# Allegro board fscvmotherboardv2.brd (continued)
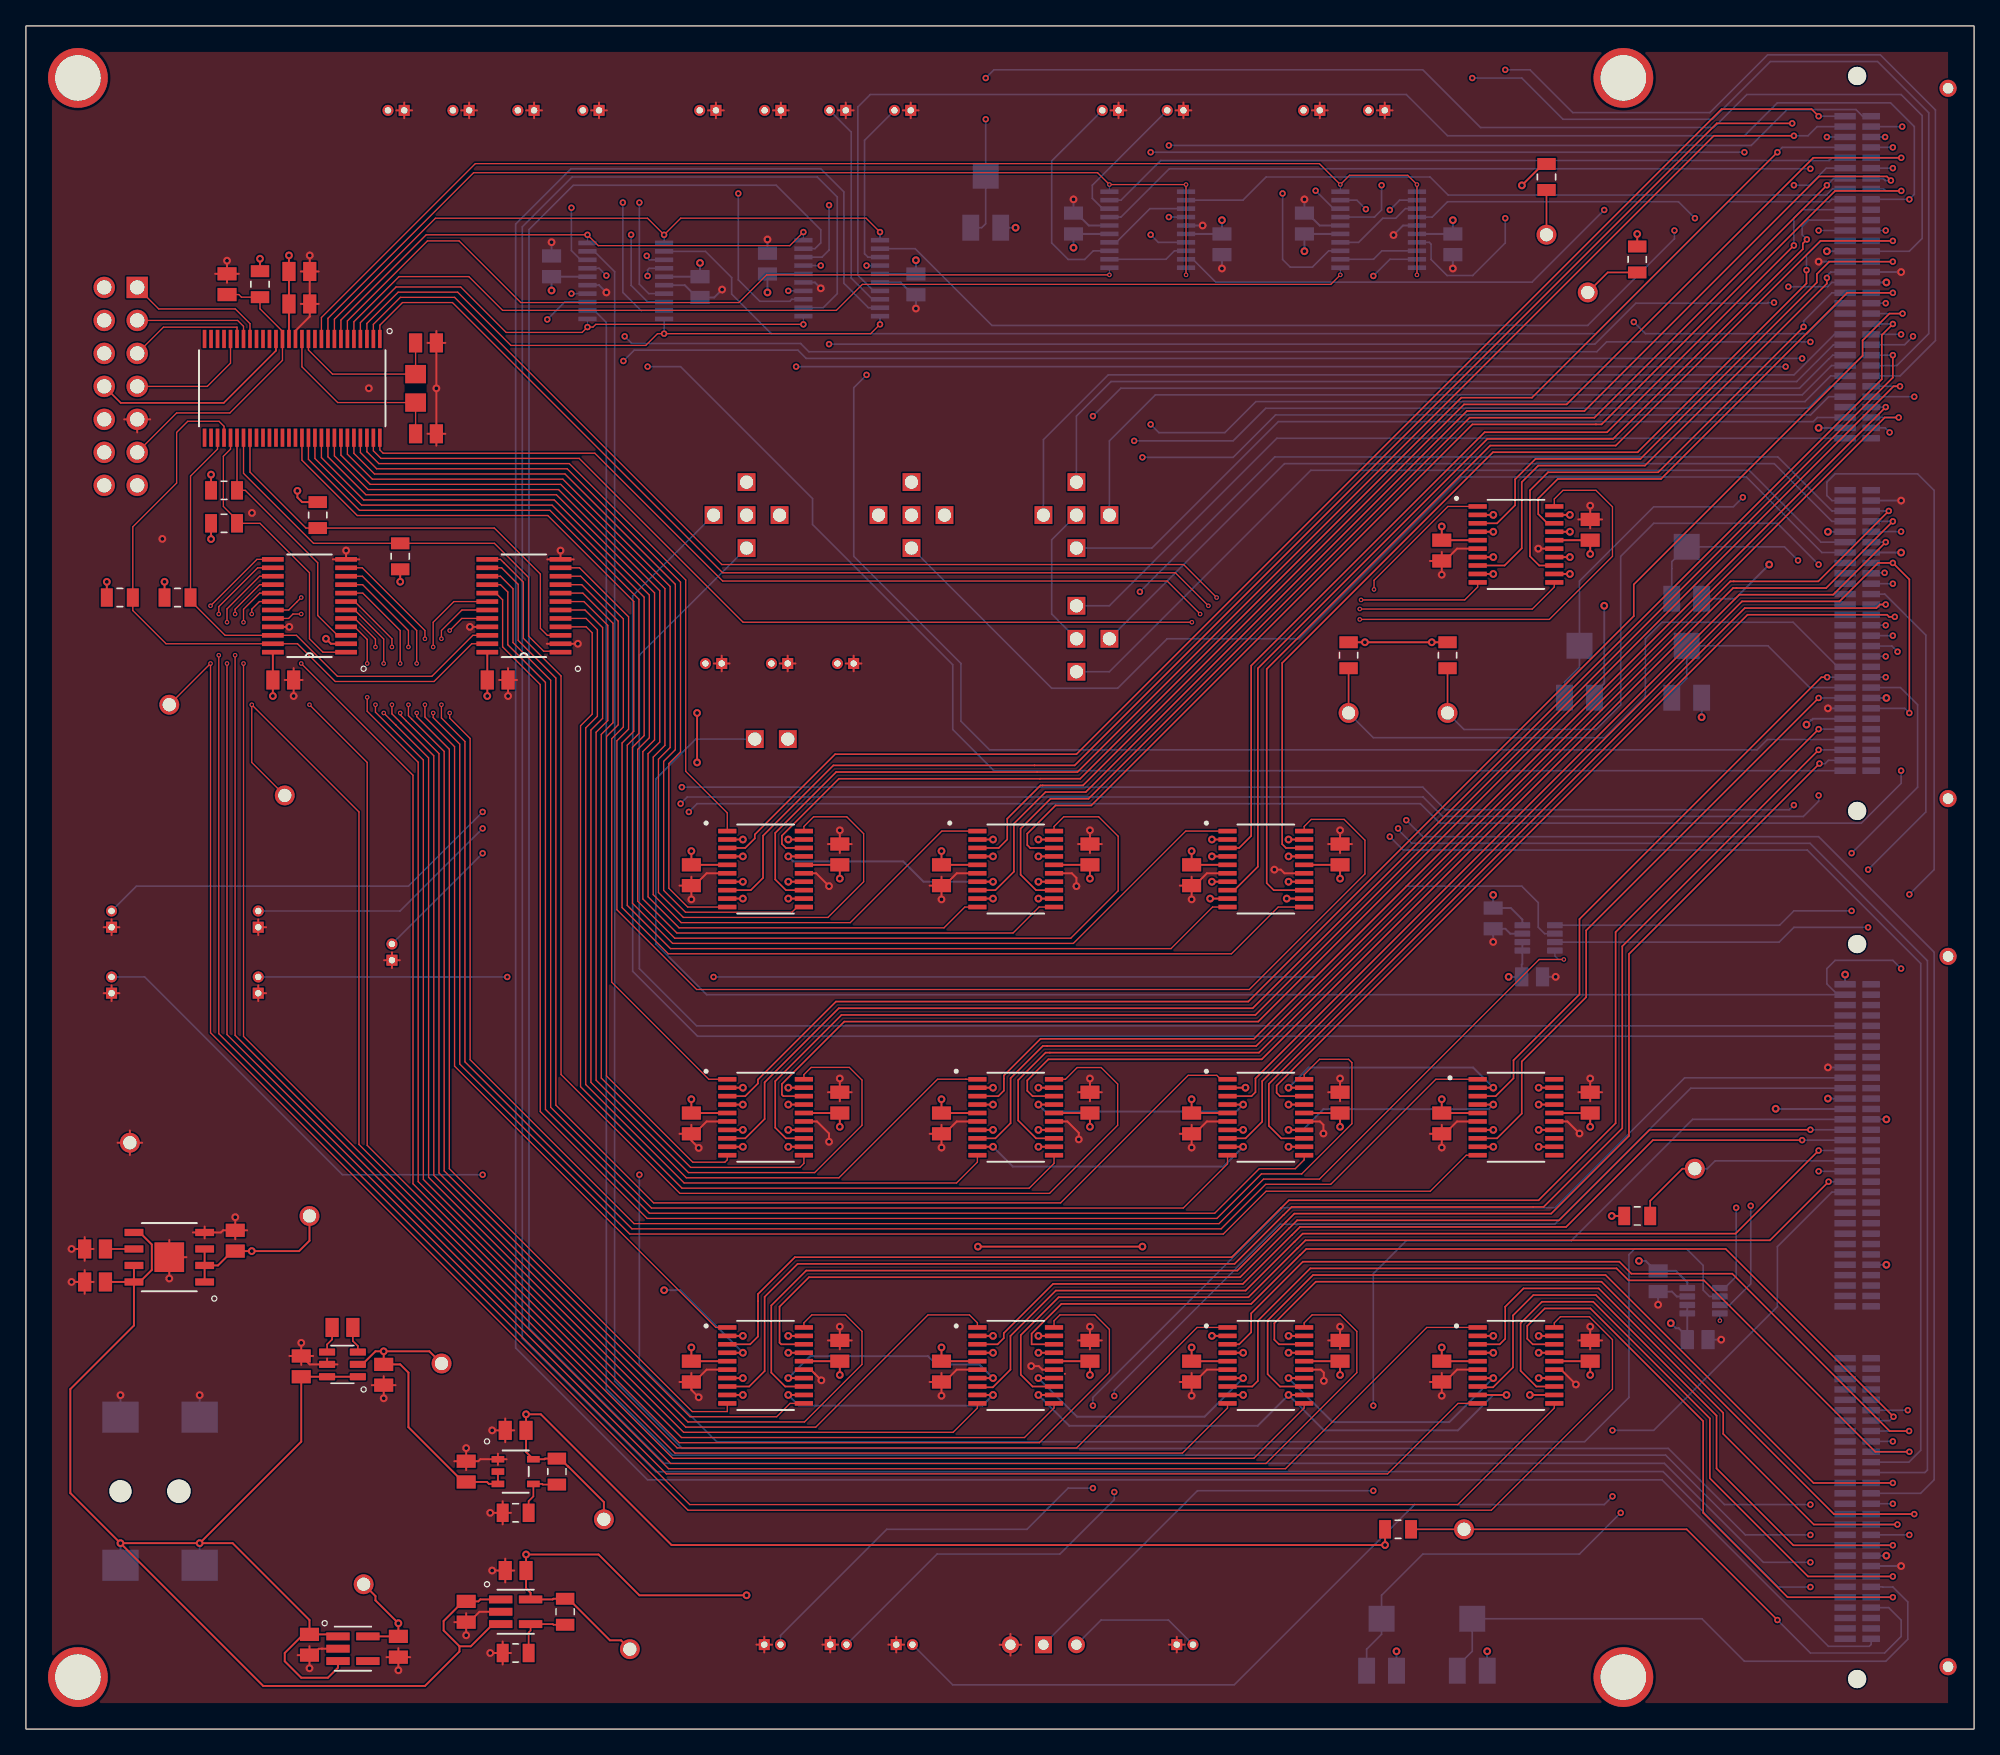
[diagram p0: board, top side]
## Routing (per net, layer and track width the routed paths; a pad name or vN(x,y) marks a point on that pad's centre or on a via; arc(x,y) is an arc through that point) (continued)
  POWER w0.127: IREF_IBX_12.TP 121.53,110.63 v3(123.8,108.35)
  BOTTOM w0.127: J1.19 139.5,109.8 137.16,107.46 124.7,107.46 v3(123.8,108.35)
IREF_IBX_34: length 46.2
  TOP w0.127: R16.1 IREF_IBX_34.TP 127.88,15.38 v3(134.86,8.4)
  BOTTOM w0.127: v3(134.86,8.4) 137.4,5.86 143.12,5.86 144.38,7.12 144.38,8.4 143.43,9.35 J1.237
IREF_IBX_56: length 50.2
  TOP w0.127: R17.1 IREF_IBX_56.TP
  BOTTOM w0.127: J1.50 139.5,81.8 136.07,85.23 125.97,85.23 124.7,83.96 124.7,79.52 121.53,76.34 103.75,76.34 IREF_IBX_56.TP
IREF_IBX_78: length 32.2
  TOP w0.127: R18.1 IREF_IBX_78.TP
  POWER w0.127: v3(143.2,115.4) 139,115.4 137.05,113.45 121.88,113.45 120.25,115.08 IREF_IBX_78.TP
  BOTTOM w0.127: J1.72 v3(143.2,115.4)
IREF_IBX_D: length 53.5
  TOP w0.127: R19.1 IREF_IBX_D.TP
  POWER w0.127: v3(143.12,89.04) 138.67,89.04 v3(138.03,89.68)
  BOTTOM w0.127: J1.101 142.12,89.04 v3(143.12,89.04) ; v3(138.03,89.68) 134.86,92.85 125.34,92.85 122.8,90.31 122.8,78.88 120.89,76.98 110.73,76.98 IREF_IBX_D.TP
IREF_OFF_CHIP_PR: length 94.5
  POWER w0.127: v3(122.16,17.92) v3(122.16,23)
  BOTTOM w0.127: v3(122.16,17.92) 121.53,17.29 106.92,17.29 93.03,3.4 71.36,3.4 J24.1 ; v3(122.16,23) 125.34,23 134.86,32.53 134.86,37.15 139.06,41.35 J1.141
IREF_REXT_12: length 47.5
  POWER w0.127: v3(135.7,111.07) 134.67,111.07 132.95,109.36 132.95,95.61 v3(132.2,94.85)
  BOTTOM w0.127: v3(135.7,111.07) 138.72,111.07 139.05,111.4 J1.17 ; VR1.1 118.47,80.61 119.62,81.76 VR1.2 119.62,88.41 125.34,94.12 131.47,94.12 v3(132.2,94.85)
IREF_REXT_34: length 46.2
  BOTTOM w0.127: J1.235 142.94,10.95 142.96,10.94 143.75,10.94 144.9,9.79 144.9,6.91 143.21,5.22 132.32,5.22 129.05,8.49 111.36,8.49 111.36,5.99 110.22,4.84 110.22,4.49
IREF_REXT_56: length 18
  BOTTOM w0.127: VR3.1 126.72,79.77 127.88,80.92 VR3.2 134.13,83.42 137.35,80.2 J1.52
IREF_REXT_78: length 102.2
  POWER w0.127: v3(73.9,127.14) v3(73.9,123.97)
  BOTTOM w0.127: J1.74 145.01,113.8 146,114.78 146,124.25 144.38,125.87 132.5,125.87 129.96,123.33 112,123.33 107.56,127.78 74.53,127.78 v3(73.9,127.14) ; VR5.1 73.59,115.62 73.9,115.92 VR5.2 v3(73.9,123.97)
IREF_REXT_D: length 23.2
  POWER w0.127: v3(143.75,88.2) 138.24,88.2 v3(136.45,89.99)
  BOTTOM w0.127: v3(136.45,89.99) 135.4,91.04 VR6.2 126.74,89.91 126.74,89.35 126.72,89.33 VR6.1 ; v3(143.75,88.2) J1.102
IREF_SWITCH_PR: length 74.4
  TOP w0.127: v3(138.8,42.15) 134.28,37.64 98.52,37.64 97.9,37.02 97.89,37.02 94.13,33.25 79.51,33.25 76.6,30.34 76.6,27.29 77.51,26.38 U24.13
  BOTTOM w0.127: J1.140 v3(138.8,42.15)
IREF_SWITCH_PR_SEL: length 104.1
  TOP w0.1: U6.5 25.31,85.53 26.91,83.92 v1(26.91,83.33) ; U24.11 79.16,24.72 76.89,22.45 50.47,22.45 30.6,42.32 30.6,74.62 26.91,78.31 v1(26.91,78.88)
  POWER w0.1: v1(26.91,83.33) v1(26.91,78.88)
IREF_TEST_12: length 38.1
  TOP w0.127: U19.13 116.52,89.6 115.81,90.31 115.81,95.39 117.2,96.78 125.68,96.78 v3(136.88,107.98)
  BOTTOM w0.127: v3(136.88,107.98) 136.88,108.42 139.06,110.6 J1.18
IREF_TEST_12_SEL: length 97.8
  TOP w0.1: U19.11 117.68,87.95 115.98,86.25 v1(102.7,86.25) ; U1.56 27.25,98.5 27.5,98.25 43.8,98.25 53.65,88.41 87.87,88.41 v1(90.41,85.87)
  POWER w0.1: v1(102.7,86.25) 101.8,86.25 101.41,85.87 v1(90.41,85.87)
IREF_TEST_34: length 47
  TOP w0.127: U9.18 116.02,29.63 115.6,30.05 115.6,31.04 116.95,32.39 120.46,32.39 129.15,23.71 129.15,16.65 135.65,10.15 v3(143.75,10.15)
  BOTTOM w0.127: v3(143.75,10.15) J1.236
IREF_TEST_34_SEL: length 180.3
  TOP w0.1: v1(14.21,86.5) 17.78,90.08 U6.13 ; U9.20 117.68,31.28 118.15,31.75 120.39,31.75 122.16,29.99 122.16,26.18 112.83,16.85 50.98,16.85 14.21,53.62 v1(14.21,82.06) TP1.TP
  POWER w0.1: v1(14.21,86.5) v1(14.21,82.06)
IREF_TEST_56: length 45.9
  TOP w0.127: U10.3 113.16,48.74 114.54,50.11 114.54,51.5 119.62,56.58 119.62,62.37 138.25,81 v3(138.69,81)
  BOTTOM w0.127: v3(138.69,81) J1.51
IREF_TEST_56_SEL: length 126.2
  TOP w0.1: U10.1 108.56,50.04 100.47,41.95 95.46,41.95 92.03,38.52 46.66,38.52 33.8,51.38 33.8,76.05 31.99,77.86 v1(31.99,78.88) ; v1(31.99,83.96) 31.99,84.59 33.57,86.18 U4.19
  POWER w0.1: v1(31.99,83.96) v1(31.99,78.88)
IREF_TEST_78: length 83.1
  TOP w0.127: U12.13 96.08,64.6 95.54,65.14 95.54,81.63 112.74,98.84 122.41,98.84 138.18,114.6 v3(143.75,114.6)
  BOTTOM w0.127: v3(143.75,114.6) J1.73
IREF_TEST_78_SEL: length 111.2
  TOP w0.1: U12.11 96.42,63.3 92.82,59.7 49.46,59.7 45.9,63.26 45.9,75.93 46.8,76.83 46.8,86.83 40.18,93.45 25.51,93.45 21.25,97.71 U1.44
IREF_TEST_D: length 70.1
  TOP w0.127: U21.3 94.36,48.74 94.67,49.05 94.67,50.1 131.92,87.35 139.15,87.35 v3(143.2,91.4)
  BOTTOM w0.127: J1.98 v3(143.2,91.4)
IREF_TEST_D_SEL: length 103.2
  TOP w0.1: U21.1 92,50.04 91.69,50.34 89.49,50.34 79.67,40.52 48.33,40.52 40.8,48.05 40.8,80.93 37.9,83.83 37.9,88.15 36.63,89.43 35.52,89.43
Net_17: length 1.2
  TOP w0.15: 117.68,48.09 v2(116.48,48.09)
Net_18: length 1.2
  TOP w0.15: 117.68,49.39 v2(116.48,49.39)
Net_19: length 1.2
  TOP w0.15: 117.68,46.14 v2(116.48,46.14)
Net_20: length 1.2
  TOP w0.15: 117.68,44.84 v2(116.48,44.84)
RESET1: length 34.2
  TOP w0.1: U1.36 17.25,96.8 21.56,92.49 R3.1 36.06,92.49 39.61,88.94 39.61,84.76 40.14,84.23 41.16,84.23
RESET2: length 19.5
  TOP w0.1: 24.65,84.23 23.99,84.23 22.47,85.75 22.47,89.81 16.89,95.39 R7.1 U1.34
REXT_PR: length 62.5
  POWER w0.127: v3(122.8,16.65) 123.24,16.65 136.7,30.11 136.7,42.11 137.54,42.95 v3(138.03,42.95)
  BOTTOM w0.127: v3(122.8,16.65) 119.62,13.48 107.56,13.48 104.38,10.3 VR4.2 104.38,7.3 103.23,6.15 VR4.1 ; v3(138.03,42.95) J1.139
RST: length 22.3
  TOP w0.1: J2.11 11.6,101.35 15.7,101.35 19.75,105.4 U1.16 19.75,107.64 18.02,109.37 R1.2 16.59,110.27 16.39,110.47 15.48,110.47
SCL: length 40
  TOP w0.1: U1.31 14.75,98.56 12.67,96.49 R5.1 12.67,86.89 15.33,84.23 20.82,84.23 23.98,81.07 31.25,81.07 34.41,84.23 35.52,84.23
SDA: length 50.9
  TOP w0.1: U4.23 34.33,83.58 31.42,80.67 23.82,80.67 20.91,83.58 U6.23 10.78,83.58 8.22,86.14 R4.1 8.22,92.58 11.6,95.96 11.6,99.85 12.45,100.71 14.87,100.71 15.25,100.32 U1.32
SEL1_PR: length 75.9
  TOP w0.127: v3(138.03,44.55) 131.63,38.15 98.31,38.15 97.69,37.53 97.68,37.53 93.91,33.77 79.3,33.77 75.81,30.27 75.81,27.68 74.44,26.31 73.32,26.31 U24.8
  BOTTOM w0.127: v3(138.03,44.55) J1.137
SEL1_PR_SEL: length 98.2
  TOP w0.1: U6.6 25.31,86.18 27.55,83.94 v1(27.55,82.06) ; v1(27.55,78.25) 28.48,77.31 28.48,77.3 31,74.79 31,42.49 50.64,22.85 71.39,22.85 73.26,24.72 U24.10
  POWER w0.1: v1(27.55,82.06) v1(27.55,78.25)
SEL2_PR: length 73.5
  TOP w0.127: U24.3 74.81,29.63 75.29,30.11 75.29,30.48 79.09,34.28 93.7,34.28 97.47,38.04 97.48,38.04 98.09,38.66 118.59,38.66 125.28,45.35 v3(136.76,45.35)
  BOTTOM w0.127: J1.136 v3(136.76,45.35)
SEL2_PR_SEL: length 101.4
  TOP w0.1: v1(28.18,83.33) 28.18,83.95 25.31,86.83 U6.7 ; v1(28.18,78.88) 28.18,78.18 28.89,77.47 28.89,77.47 31.4,74.95 31.4,42.65 50.8,23.25 60.81,23.25 69.45,31.89 72.65,31.89 73.26,31.28 U24.1
  POWER w0.1: v1(28.18,83.33) v1(28.18,78.88)
SEL3_PR: length 92.4
  TOP w0.127: v3(137.4,46.15) 125.03,46.15 118.05,39.18 97.88,39.18 97.26,38.56 97.25,38.56 93.49,34.79 60.29,34.79 58.02,32.53 58.02,29.75 58.15,29.63 U17.18
  BOTTOM w0.127: J1.135 v3(137.4,46.15)
SEL3_PR_SEL: length 98.9
  TOP w0.1: U17.20 59.9,31.28 60.51,31.89 63.1,31.89 64.38,30.62 64.38,28.08 59.94,23.65 50.97,23.65 31.8,42.82 31.8,75.12 29.28,77.63 29.28,77.64 28.81,78.11 v1(28.81,78.25) ; U6.8 25.94,87.48 28.81,84.59 v1(28.81,82.06)
  POWER w0.1: v1(28.81,82.06) v1(28.81,78.25)
SENSOR_1: length 98.6
  BOTTOM w0.127: J1.9 139.04,117.8 138.85,117.62 131.05,117.62 120.89,107.46 57.39,107.46 54.34,110.51 54.34,111.78 52.33,113.79 U20.2
SENSOR_2: length 116.4
  POWER w0.127: v3(138.67,122.6) 137.94,122.6 137.29,121.95 122.27,121.95 115.34,128.88 50.78,128.88 45.96,124.06 v3(45.96,117.55)
  BOTTOM w0.127: v3(45.96,117.55) 45.96,110.63 47.35,109.24 U20.9 ; v3(138.67,122.6) J1.3
SENSOR_3: length 192.2
  POWER w0.127: v3(143.75,17.35) 143.31,17.35 143.24,17.29 v3(137.4,17.29)
  BOTTOM w0.127: v3(137.4,17.29) 130.78,17.29 126.46,21.61 50.53,21.61 45.33,26.81 45.33,112.22 43.76,113.79 U20.19 ; J1.227 v3(143.75,17.35)
SENSOR_4: length 196.2
  POWER w0.127: v3(137.4,14.95) 142.3,14.95 144.38,17.04 144.38,21.52 v3(143.75,22.15)
  BOTTOM w0.127: v3(143.75,22.15) J1.221 ; U20.12 43.76,109.24 44.69,108.31 44.69,26.18 49.77,21.1 126.25,21.1 132.39,14.95 v3(137.4,14.95)
SENSOR_5: length 118
  POWER w0.127: v3(47.86,104.92) v3(47.86,111.9)
  BOTTOM w0.127: J1.60 74.53,73.8 71.36,76.98 71.36,81.96 60.56,92.76 60.56,94.76 50.41,104.92 v3(47.86,104.92) ; v3(47.86,111.9) 47.86,112.36 47.99,112.49 U20.4
SENSOR_6: length 119.2
  POWER w0.127: v3(47.23,117.55) 47.23,124.6 50.99,128.36 114.59,128.36 123.43,119.52 143.07,119.52 v3(143.75,120.2)
  BOTTOM w0.127: U20.7 47.95,110.54 47.23,111.27 v3(47.23,117.55) ; J1.66 v3(143.75,120.2)
SENSOR_7: length 108.6
  POWER w0.127: v3(144.38,107.4) 143.81,106.82 v3(137.4,106.82) ; v3(46.1,107.25) 46.1,110.52 v3(44.69,111.93)
  BOTTOM w0.127: v3(46.1,107.25) 46.65,106.7 59.65,106.7 60.29,106.06 120.95,106.06 121.71,106.82 v3(137.4,106.82) ; U20.17 44.13,112.49 v3(44.69,111.93) ; J1.82 v3(144.38,107.4)
SENSOR_8: length 113.9
  POWER w0.127: v3(145.4,102.6) 140.35,102.6 137.4,105.55 v3(136.76,105.55) ; v3(42,110.54) 42,107.25 43.9,105.35 v3(46,105.35)
  BOTTOM w0.127: U20.14 v3(42,110.54) ; v3(46,105.35) 46.83,106.19 59.44,106.19 60.07,105.55 v3(136.76,105.55) ; J1.88 v3(145.4,102.6)
SENSOR_A: length 14.8
  POWER w0.127: J4.1 42.88,119.43 47.8,114.5 v3(47.8,113.45)
  BOTTOM w0.127: v3(47.8,113.45) 47.8,113.33 47.99,113.14 U20.3
SENSOR_B: length 20.4
  POWER w0.127: v3(46.59,115.08) 46.15,115.08 37.88,123.35 J8.1
  BOTTOM w0.127: U20.8 47.88,109.89 46.59,111.17 v3(46.59,115.08)
SENSOR_C: length 17.1
  POWER w0.127: v3(42,117.15) 40.38,117.15 J12.1
  BOTTOM w0.127: v3(42,117.15) 42,113.85 42.71,113.14 U20.18
SENSOR_CD: length 165
  POWER w0.127: v3(144.38,92.22) 145.66,90.95 145.66,89.38 143.41,87.14 138.67,87.14 136.13,84.59 v3(136.13,71.15) ; v3(35.17,70.62) 47.86,70.62 49.77,72.53 v3(50.5,72.53)
  BOTTOM w0.127: J1.97 142.94,92.2 142.96,92.22 v3(144.38,92.22) ; v3(50.5,72.53) 107.56,72.53 109.29,70.79 135.77,70.79 v3(136.13,71.15) ; J15.1 8.5,64.91 29.45,64.91 v3(35.17,70.62)
SENSOR_D: length 24.8
  POWER w0.127: v3(40.14,108.55) 27.88,120.82 J16.1
  BOTTOM w0.127: v3(40.14,108.55) 41.48,109.89 U20.13
SNFET_1_VD: length 67.9
  BOTTOM w0.127: SNFET_1_VD.TP 83.42,81.42 98.94,96.93 132.68,96.93 138.22,91.4 J1.38
SNFET_2_VD: length 64.1
  BOTTOM w0.127: SNFET_2_VD.TP 96.91,97.45 134.61,97.45 139.06,93 J1.36
SNFET_3_VD: length 63.4
  BOTTOM w0.127: SNFET_3_VD.TP 86.69,90.95 96.43,100.68 137.62,100.68 137.94,101 J1.30
SNFET_4_VD: length 64.5
  BOTTOM w0.127: J1.32 96.33,99.4 83.42,86.5 SNFET_4_VD.TP
SNFET_5_VB: length 80.9
  POWER w0.127: v3(86.6,100.47) 70.09,100.47 65.65,96.03 SNFET_5_VB.TP
  BOTTOM w0.127: J1.26 138.96,104.2 136.98,102.22 94.7,102.22 92.31,99.84 87.23,99.84 v3(86.6,100.47)
SNFET_5_VD: length 64.8
  BOTTOM w0.127: J1.25 139.03,105 136.77,102.74 86.96,102.74 83.42,99.2 SNFET_5_VD.TP
SNFET_5_VS: length 88.6
  POWER w0.127: v3(82.16,101.11) 63.74,101.11 58.66,96.03 SNFET_5_VS.TP
  BOTTOM w0.127: J1.24 139.12,105.8 138.83,105.51 138.82,105.51 136.56,103.25 84.3,103.25 v3(82.16,101.11)
SNFET_SHARED_VB: length 85.5
  BOTTOM w0.127: J1.39 138.29,90.6 132.47,96.42 110.49,96.42 98.03,83.96 87.87,83.96 84.06,80.15 78.98,80.15 SNFET_SHARED_VB.TP
SNFET_SHARED_VS: length 90.5
  POWER w0.127: v3(85.77,87.58) 67.11,87.58 61.2,93.49 SNFET_SHARED_VS.TP
  BOTTOM w0.127: J1.35 139.06,93.8 134.9,97.96 96.15,97.96 v3(85.77,87.58)
SPFET_1_VB: length 74.9
  POWER w0.127: SPFET_1_VB.TP 69.06,96.03 72.24,99.2 v3(85.33,99.2)
  BOTTOM w0.127: v3(85.33,99.2) 92.95,99.2 95.46,101.71 137.19,101.71 138.88,103.4 J1.27
SPFET_1_VD: length 66.5
  BOTTOM w0.127: SPFET_1_VD.TP 80.89,101.11 83.55,103.77 136.34,103.77 139.18,106.6 J1.23
SPFET_1_VS: length 133.1
  BOTTOM w0.127: SPFET_1_VS.TP 46.72,87.26 46.72,58.35 51.71,53.35 J1.126
SPFET_2_VB: length 73.1
  POWER w0.127: SPFET_2_VB.TP 72.24,93.49 76.68,97.93 v3(85.97,97.93)
  BOTTOM w0.127: J1.28 138.81,102.6 137.41,101.2 96.22,101.2 92.95,97.93 v3(85.97,97.93)
SPFET_2_VD: length 70.9
  BOTTOM w0.127: J1.22 139.25,107.4 136.13,104.28 83.33,104.28 78.34,99.29 SPFET_2_VD.TP
SPFET_2_VS: length 130.5
  BOTTOM w0.127: SPFET_2_VS.TP 47.23,82.69 47.23,58.56 51.64,54.15 J1.125
T_VRPS_AB: length 17.1
  BOTTOM w0.127: J14.1 78.98,120.75 78.98,114.44 80.25,113.17 81.52,113.17 82.19,113.84 U22.3
T_VRPS_AB_C: length 7
  BOTTOM w0.127: U22.13 86.55,117.09 83.95,114.49 U22.4
T_VRPS_AB_M: length 6.2
  BOTTOM w0.127: U22.2 87.78,113.19 88.43,113.84 U22.18
T_VRPS_C_12: length 52.3
  BOTTOM w0.127: U22.12 93.7,117.74 95.49,119.52 108.12,119.52 109.51,118.13 138.64,118.13 139.11,118.6 J1.8
T_VRPS_C_34: length 140.9
  POWER w0.127: v3(106.28,69.99) 106.28,116.15 105.46,116.98 v3(105.02,116.98)
  BOTTOM w0.127: v3(106.28,69.99) 107.56,68.72 138.03,68.72 146.93,59.83 146.93,19.19 145.88,18.15 J1.226 ; v3(105.02,116.98) 105.77,117.74 U23.12
T_VRPS_C_56: length 62.3
  POWER w0.127: v3(88,121.95) v3(88,116.44)
  BOTTOM w0.127: v3(88,116.44) 89.33,116.44 ; J1.61 141.42,124.2 140.91,124.71 135.61,124.71 132.84,121.95 v3(88,121.95)
T_VRPS_C_78: length 50.9
  POWER w0.127: v3(145.3,107.25) 145.3,114.8 143.75,116.34 v3(128.51,116.34)
  BOTTOM w0.127: v3(145.3,107.25) 144.65,106.6 J1.83 ; 107.11,116.44 108.28,116.44 109.46,117.62 127.24,117.62 v3(128.51,116.34)
T_VRPS_C_D: length 54.5
  POWER w0.127: v3(141.84,61.74) v3(141.84,66.18)
  BOTTOM w0.127: v3(141.84,66.18) 146.29,70.62 146.29,84.24 143.13,87.4 J1.103 ; U25.7 135,60.6 136.13,61.74 v3(141.84,61.74)
T_VRPS_CD: length 17.4
  POWER w0.127: J18.1 98.38,119.87 v3(96.76,118.25)
  BOTTOM w0.127: v3(96.76,118.25) 96.76,113.17 97.35,112.58 99.06,112.58 100.31,113.84 U23.3
T_VRPS_CD_C: length 7
  BOTTOM w0.127: U23.13 106.21,117.09 105.47,116.34 104.47,116.34 102.61,114.49 U23.4
T_VRPS_CD_M: length 6.2
  BOTTOM w0.127: U23.18 104.41,113.84 103.76,113.19 U23.2
T_VRPS_D: length 105.4
  POWER w0.127: v3(37.06,57.92) v3(52.95,57.92)
  BOTTOM w0.127: U25.6 116.93,61.25 116.44,61.74 116.44,63.64 115.17,64.91 106.28,64.91 99.29,57.92 v3(52.95,57.92) ; J11.1 v3(37.06,57.92)
T_VRPS_D_SEL: length 170.8
  TOP w0.1: U4.20 33.56,85.53 v1(32.62,84.59) ; v1(118.42,59.26) 116.51,59.26 99.6,42.35 95.29,42.35 91.86,38.92 46.82,38.92 34.2,51.54 34.2,76.28 32.62,77.86 v1(32.62,78.25)
  POWER w0.1: v1(118.42,59.26) 120.82,59.26 130.43,49.66 v1(130.43,31.45) ; v1(32.62,84.59) v1(32.62,78.25)
  BOTTOM w0.1: v1(118.42,59.26) 118,59.26 117.73,59.53 U25.8 ; U26.8 v1(130.43,31.45)
T_VRPS_M_12: length 55.1
  POWER w0.127: v3(136.13,118.89) 135.5,118.89 133.59,116.98 v3(121.53,116.98)
  BOTTOM w0.127: U22.19 89.85,113.19 91.61,111.42 115.97,111.42 v3(121.53,116.98) ; v3(136.13,118.89) 137.31,118.89 138.62,120.2 J1.6
T_VRPS_M_34: length 134.2
  POWER w0.127: v3(105.02,68.72) 105.02,69.81 104.6,70.22 104.6,111.05 v3(103.75,111.9)
  BOTTOM w0.127: J1.223 144.98,20.55 145.9,21.46 145.9,58.95 137.16,67.69 110.14,67.69 109.85,67.69 109.85,67.69 106.04,67.69 v3(105.02,68.72) ; U23.19 105.03,113.19 v3(103.75,111.9)
T_VRPS_M_56: length 67.8
  POWER w0.127: v3(143.15,122.6) 141.98,121.43 138.28,121.43 137.81,120.95 132.8,120.95 v3(132.32,121.43) ; v3(86.6,115.08) v3(86.6,121.43)
  BOTTOM w0.127: v3(86.6,115.08) 87.19,114.49 U22.17 ; v3(86.6,121.43) v3(132.32,121.43) ; v3(143.15,122.6) J1.63
T_VRPS_M_78: length 84.9
  POWER w0.127: v3(113.91,116.34) v3(113.91,127.78)
  BOTTOM w0.127: U23.17 108.06,114.49 108.19,114.36 108.19,113.17 109.43,111.93 111.4,111.93 113.91,114.44 v3(113.91,116.34) ; v3(113.91,127.78) 115.81,127.78 119.11,124.48 129.66,124.48 134.1,128.92 142.78,128.92 147.03,124.68 147.03,106.92 144.31,104.2 J1.86
T_VRPS_M_D: length 45.4
  POWER w0.127: v3(140.57,67.45) v3(140.57,63.01)
  BOTTOM w0.127: J1.112 144.34,80.2 145.66,78.88 145.66,72.53 v3(140.57,67.45) ; U25.5 135.03,61.9 136.13,63.01 v3(140.57,63.01)
TCK: length 9.8
  TOP w0.1: U1.24 15.75,105.19 13.96,103.4 J2.7
TDI: length 9.3
  TOP w0.1: J2.3 16.3,108.48 16.75,108.02 U1.22
TDO: length 11
  TOP w0.1: U1.21 17.25,108.23 16.12,109.36 10.22,109.36 J2.1
TEST: length 16.3
  TOP w0.127: U1.17 19.25,106.15 15.23,102.12 7.3,102.12 J2.8
TEST_EN_D: length 1.1
  BOTTOM w0.127: J1.106 v3(143.2,85)
TIA_C_OUT_BUF: length 61.9
  POWER w0.127: v3(143.75,84.2) 144.19,84.2 146.68,81.71 146.68,74.29 132.81,60.41 v3(132.81,40.29)
  BOTTOM w0.127: U26.7 131.19,32.66 132.81,34.28 v3(132.81,40.29) ; J1.107 v3(143.75,84.2)
TIA_M_OUT_BUF: length 58.8
  POWER w0.127: v3(131.69,40.15) 131.69,60.01 146.17,74.5 146.17,80.91 v3(144.11,82.96)
  BOTTOM w0.127: v3(131.69,40.15) 131.69,34.85 130.8,33.96 U26.5 ; J1.108 143.68,83.4 v3(144.11,82.96)
TIA_OUT_BUF: length 162.4
  POWER w0.127: v3(35.17,42.69) v3(47.23,42.69)
  BOTTOM w0.127: v3(35.17,42.69) 24.37,42.69 9.14,57.92 J19.1 ; v3(47.23,42.69) 47.23,28.08 53.19,22.12 120.01,22.12 123.43,25.54 123.43,36.53 123.87,36.97 127.88,36.97 129.15,35.7 129.15,33.8 129.63,33.31 U26.6
TMS: length 9.4
  TOP w0.1: U1.23 16.25,107.95 10.58,107.95 J2.5
VB: length 26.1
  POWER w0.127: VB.TP 66.28,91.58 64.38,91.58 61.2,94.76 57.39,94.76 56.76,94.12 56.76,82.7 J27.1
VD: length 30.8
  POWER w0.127: VD2.TP 78.36,81.44 63.1,81.44 J26.1
  BOTTOM w0.127: VD1.TP 78.98,91.58 78.98,85.87 VD2.TP
VOUT_PR: length 104.6
  POWER w0.127: v3(82.16,18.56) v3(82.16,24.91)
  BOTTOM w0.127: v3(82.16,18.56) 80.25,18.56 77.08,15.38 66.28,15.38 58.1,7.2 J21.1 ; J1.130 127.72,50.15 117.72,40.15 96.76,40.15 82.16,25.54 v3(82.16,24.91)
VRPS_12: length 58
  BOTTOM w0.127: J1.5 139.06,121 138.85,120.79 87.37,120.79 84.32,117.74 U22.9
VRPS_34: length 139.6
  POWER w0.127: v3(105.65,69.36) 105.65,69.9 105.11,70.43 105.11,111.26 104.38,111.99 104.38,115.83 v3(103.17,117.04)
  BOTTOM w0.127: v3(103.17,117.04) 102.47,117.74 U23.9 ; J1.224 146.22,19.75 146.41,19.95 146.41,59.17 137.37,68.21 110.36,68.21 106.71,68.21 105.77,69.14 105.77,69.23 v3(105.65,69.36)
VRPS_56: length 64.2
  POWER w0.127: v3(137.4,120.16) 138.03,120.16 138.67,120.79 142.74,120.79 v3(143.75,121.8)
  BOTTOM w0.127: v3(137.4,120.16) 88.04,120.16 84.32,116.44 83.42,116.44 ; v3(143.75,121.8) J1.64
VRPS_78: length 78.9
  POWER w0.127: v3(111.36,127.14) 111.36,125.87 v3(104.38,118.89)
  BOTTOM w0.127: J1.85 144.06,105 146.51,107.46 146.51,124.47 142.57,128.41 134.32,128.41 129.87,123.97 118.35,123.97 115.17,127.14 v3(111.36,127.14) ; v3(104.38,118.89) 104.38,116.98 103.84,116.44 101.2,116.44
VRPS_AB: length 10.8
  BOTTOM w0.127: U22.8 82.9,117.09 82.11,117.88 82.11,118.89 J6.1
VRPS_CD: length 10.3
  POWER w0.127: v3(99.3,118.47) 99.3,120.58 J10.1
  BOTTOM w0.127: U23.8 100.68,117.09 v3(99.3,118.47)
VRPS_D: length 140.9
  POWER w0.127: v3(35.17,69.36) 48.5,69.36 v3(50.41,71.26) ; v3(143.2,81) 144.38,79.82 144.38,74.53 143.87,74.01 143.87,73.92 141.84,71.9 v3(138.03,71.9)
  BOTTOM w0.127: v3(50.41,71.26) 50.92,71.77 107.58,71.77 109.08,70.28 136.86,70.28 138.03,71.45 v3(138.03,71.9) ; v3(35.17,69.36) 28.81,63 J7.1 ; J1.111 v3(143.2,81)
VS: length 12.7
  POWER w0.127: J25.1 52.32,90.32 VS.TP
XIN: length 14.4
  TOP w0.1: U1.13 21.25,104.9 24,102.15 X1.2 C2.1
XOUT: length 12.3
  TOP w0.1: C1.1 X1.1 23.61,104.34 21.75,106.2 U1.12
N380998: length 2.1
  TOP w0.127: C13.1 25.17,29.88 25.56,29.5 U5.3
N381018: length 2.1
  TOP w0.127: C13.2 23.57,30 23.19,29.61 U5.4
N381395: length 5
  TOP w0.127: R11.2 38.7,7.43 38.86,7.58 U7.4 40.56,8.08 40.61,8.03 R10.1
N382215: length 4.2
  TOP w0.127: R13.2 38.7,17.55 39.07,17.92 U8.4 39.75,18.88 39.8,18.83 R12.1
N543791: length 2.2
  TOP w0.127: U2.6 C7.1

## Copper pours and planes (outline as drawn; the poured copper is in the pictures)
GND on TOP, GND: 2,129.15 148,129.15 148,2 2,2

## Text on the board
Ref Des/Silkscreen Bottom: NYU NANO | P1 | N5 | P2 | VDD_IT | NS | EXT | REXT 78 | N4 | N1 | N3 | GND | 2VRPS | N2 | VRPS | REXT PR | REXT 34 | REXT 12 | REXT D | REXT 56 | SENSOR | TIA OUT | Power 5V | D | HPF OUT | C | Debug Channel | B | FSCV Channels | A | VS | VD | VOUT | CH OUT | VB | INN | IOC | CM | AB | Individual Transistors | FSCV Mother Board V2 | CM IN | Pseudo Resistor | CD | JTAG
User.Comments: NYU NANO
XSECTION_CHART: *  SURFACE | L1 TOP CONDUCTOR | *  DIELECTRIC | L2 POWER CONDUCTOR | L3 GND PLANE | L4 BOTTOM CONDUCTOR | DESIGN CROSS SECTION CHART | ___________________________ | TOTAL THICKNESS 1.67 MM | 1-4
PAGE_OUTLINE: FSCV MOTHERBOARD V2 | FIGURE | FINISHED_SIZE | 0.2 | 0.254 | 0.3 | 0.5 | 0.8 | 0.81 | 1.02 | 1.1 | 3.5 | 1.4 | 1.7 | 1.8 | DRILL CHART: TOP to BOTTOM | ALL UNITS ARE IN MILLIMETERS | DRILLED_SIZE | - | PLATED | NON-PLATED | QTY | 48 | 182 | 265 | 3 | 4 | 35 | 1 | 13
